# KiCad board boatcontrol.kicad_pcb (continued)
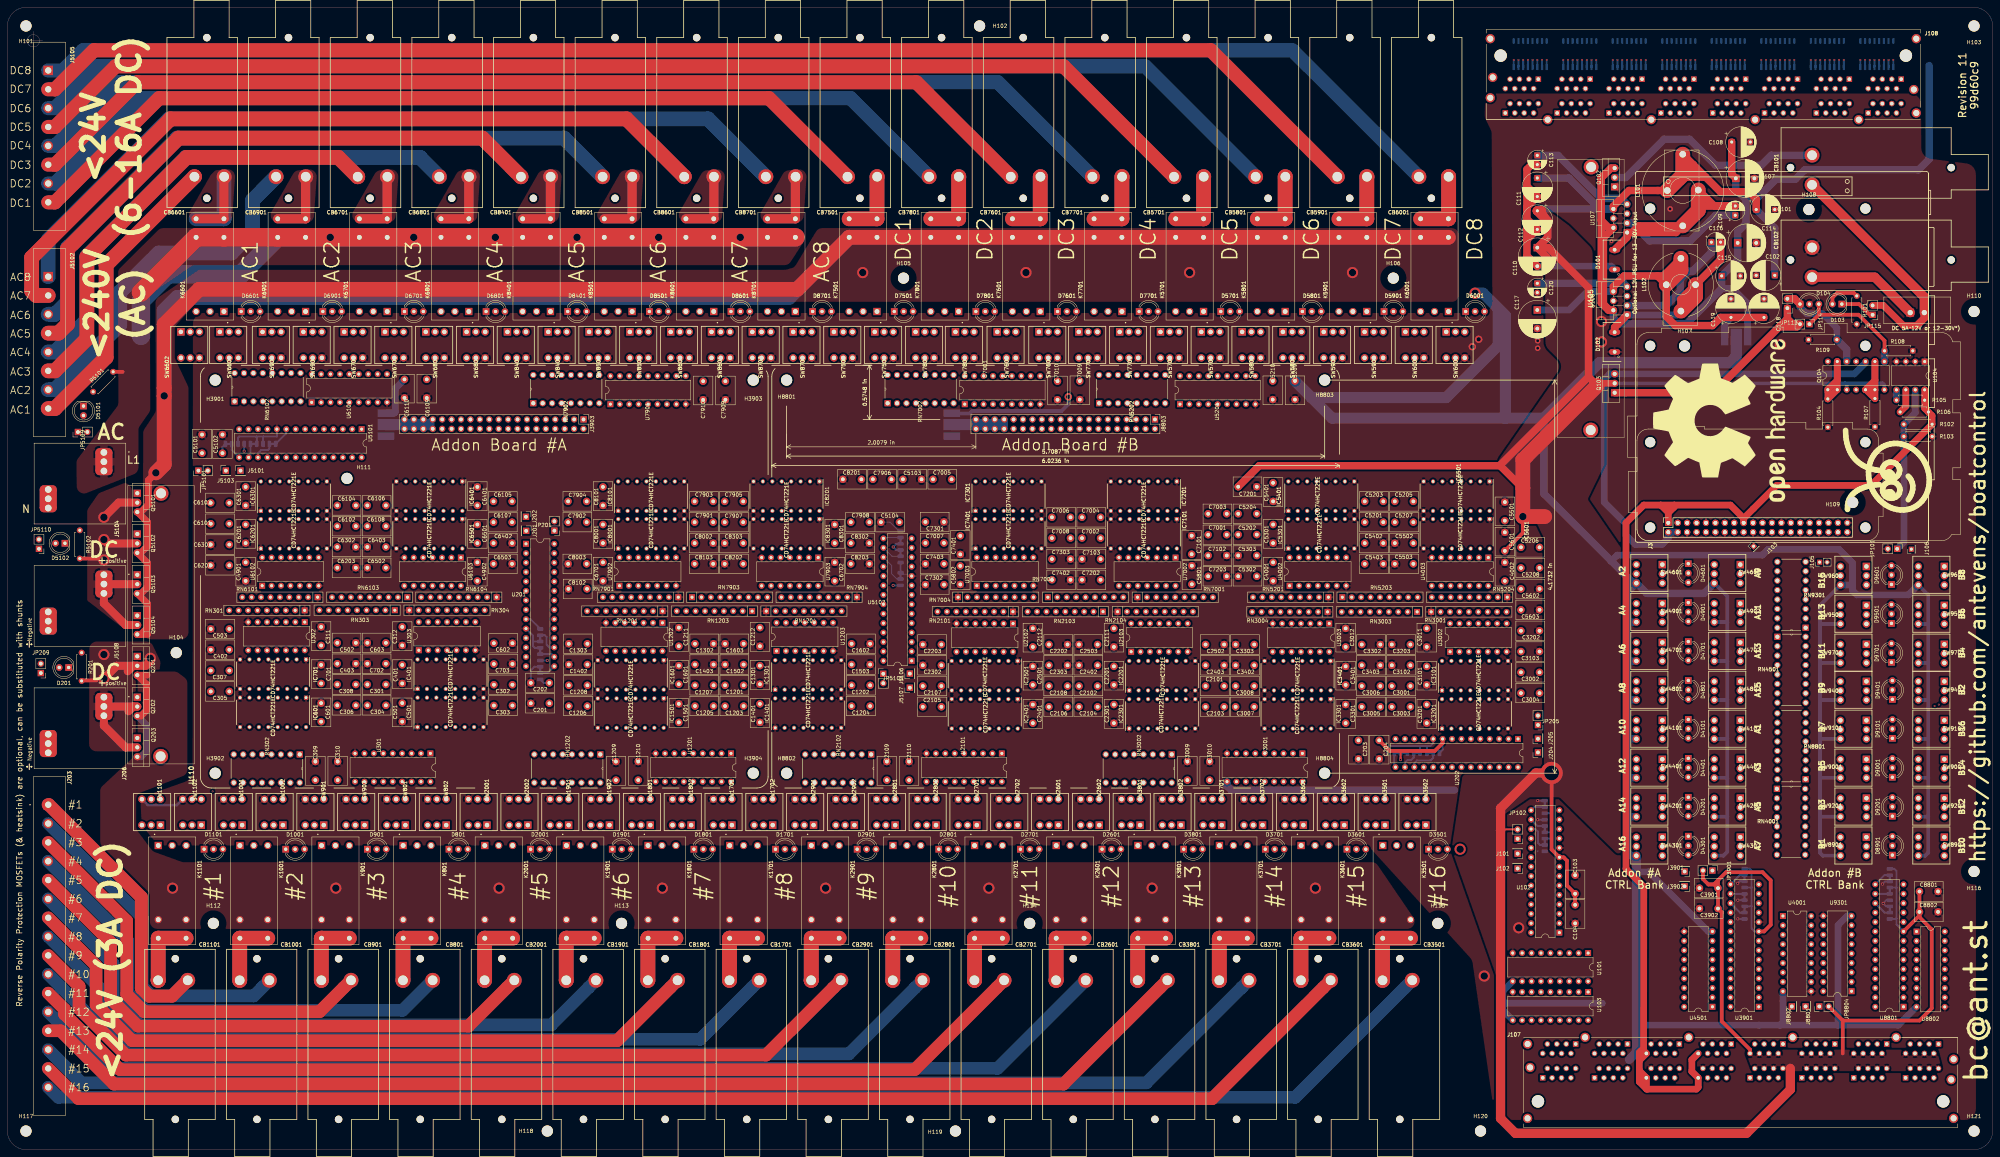
[diagram p0: board, top side]
## Routing (per net, layer and track width the routed paths; a pad name or vN(x,y) marks a point on that pad's centre or on a via; arc(x,y) is an arc through that point) (continued)
/12V DC Common Bank/12V DC Block 2/MultiVibrator3A2/R2: length 70.3
  In1.Cu w0.25: IC1401.6 225.49,119.6 C1204.1
  In2.Cu w0.25: IC1401.6 216.28,117.08 193.87,117.08 191.9,119.05 191.9,120.75 195.95,124.8 195.95,139.79 RN1203.5
/12V DC Common Bank/12V DC Block 2/MultiVibrator3A2/RC1: length 13.2
  In2.Cu w0.25: IC1401.15 205.87,118.08 199.92,118.08 C1203.2
/12V DC Common Bank/12V DC Block 2/MultiVibrator3A2/RC2: length 12.8
  In1.Cu w0.25: C1204.2 230.1,117.2 225.63,117.2 IC1401.7
/12V DC Common Bank/12V DC Block 2/MultiVibrator3A3/MUX_OFF: length 32.9
  In1.Cu w0.25: U1201.6 179.78,109.35 165.36,109.35 162.95,111.76 162.95,117.9 IC1501.5
/12V DC Common Bank/12V DC Block 2/MultiVibrator3A3/MUX_ON: length 18.4
  In1.Cu w0.25: IC1501.13 173.14,109.85 181.82,109.85 U1201.5
/12V DC Common Bank/12V DC Block 2/MultiVibrator3A3/R1: length 43.3
  In1.Cu w0.25: C1205.1 183.85,118.15 176.22,118.15 IC1501.14
  In2.Cu w0.25: C1205.1 187.4,121.7 187.4,131.38 187.5,131.48 187.5,143.16 RN1203.7
/12V DC Common Bank/12V DC Block 2/MultiVibrator3A3/R2: length 64.8
  In1.Cu w0.25: v4(170.28,118.82) 182.07,118.82 184.55,121.3 v4(188,121.3)
  In2.Cu w0.25: C1206.1 152.68,118.22 160.73,118.22 IC1501.6 167.02,118.82 v4(170.28,118.82) ; RN1203.6 v4(188,121.3)
/12V DC Common Bank/12V DC Block 2/MultiVibrator3A3/RC1: length 18.4
  In1.Cu w0.25: C1205.2 188.35,117.65 178.26,117.65 IC1501.15
/12V DC Common Bank/12V DC Block 2/MultiVibrator3A3/RC2: length 6.2
  In2.Cu w0.25: C1206.2 159.57,119.6 IC1501.7
/12V DC Common Bank/12V DC Block 2/MultiVibrator3A4/MUX_OFF: length 50.8
  In1.Cu w0.25: IC1601.5 160.55,125.8 158.77,125.8 157.79,124.82 157.79,123.97 154.07,120.25 154.07,115.72 162.01,107.78 170.78,107.78 173.42,105.14 175.53,105.14 U1201.8
/12V DC Common Bank/12V DC Block 2/MultiVibrator3A4/MUX_ON: length 37.6
  In1.Cu w0.25: IC1601.13 168.08,122.85 166.16,122.85 165.54,122.23 165.54,121.3 160.46,116.22 160.46,113.17 165.12,108.51 178.08,108.51 U1201.7
/12V DC Common Bank/12V DC Block 2/MultiVibrator3A4/R1: length 44.2
  In1.Cu w0.25: C1207.1 188.12,127.38 175.14,127.38 IC1601.14 ; RN1203.8 182.92,144.07 187.99,139 v4(188.65,139)
  In2.Cu w0.25: C1207.1 188.65,126.85 v4(188.65,139)
/12V DC Common Bank/12V DC Block 2/MultiVibrator3A4/R2: length 51.6
  In1.Cu w0.25: C1208.1 157.41,125.2 IC1601.6 ; RN1203.9 180.38,144.07 187.15,137.3 187.15,135.3 186.1,134.25 184.25,134.25 v4(183,135.5)
  In2.Cu w0.25: IC1601.6 165.36,133.15 167.1,133.15 167.65,133.7 167.65,134.91 170.07,137.32 182.22,137.32 183,136.54 v4(183,135.5)
/12V DC Common Bank/12V DC Block 2/MultiVibrator3A4/RC1: length 12.8
  In1.Cu w0.25: IC1601.15 177.18,126.88 183.62,126.88 C1207.2
/12V DC Common Bank/12V DC Block 2/MultiVibrator3A4/RC2: length 13.1
  In1.Cu w0.25: IC1601.7 157.67,128 154.1,128 C1208.2
/12V DC Common Bank/12V DC Block 2/OUT_C1: length 155.9
  Top w3.4: J203.5 27.81,55.87 27.81,40.67 35.2,33.28 124.23,33.28 CB2001.P2
/12V DC Common Bank/12V DC Block 2/OUT_C2: length 172.1
  Bottom w3.4: J203.6 28.49,50.11 28.49,40.75 35.62,33.63 146.58,33.63 CB1901.P2
/12V DC Common Bank/12V DC Block 2/OUT_C3: length 196.3
  Top w3.4: J203.7 23.9,49.62 23.9,39.06 33.58,29.38 164.33,29.38 CB1801.P2
/12V DC Common Bank/12V DC Block 2/OUT_C4: length 212.4
  Bottom w3.4: CB1701.P2 186.67,29.72 34,29.72 24.58,39.13 24.58,43.86 J203.8
/12V DC Common Bank/12V DC Block 3/3AC1/DISABLED_INDICATOR: length 12.4
  In1.Cu w1: SW2902.3 221.5,89.25 214,89.25 SW2901.3
/12V DC Common Bank/12V DC Block 3/3AC1/OFF: length 34.9
  In1.Cu w0.25: U2101.11 247.91,96.9 219.65,96.9 SW2901.4
/12V DC Common Bank/12V DC Block 3/3AC1/OFF_COIL: length 39.2
  In2.Cu w0.25: SW2902.2 224.37,88.88 215.84,88.88 210.87,93.84 210.87,95.16 213.79,98.07 213.79,99.53 217.54,103.28 RN2102.7
  In2.Cu w1: K2901.8 225.75,83.6 SW2902.2
/12V DC Common Bank/12V DC Block 3/3AC1/OFF_LED: length 28
  In2.Cu w0.25: RN2102.10 219.58,96.91 219.58,94.01 223.72,89.88 229.26,89.88 230.13,89.01 230.13,84.95 D2901.3
/12V DC Common Bank/12V DC Block 3/3AC1/OFF_TO_ON: length 16.5
  In1.Cu w1: SW2902.1 228.25,87.59 223.09,92.75 216.5,92.75 SW2901.5
/12V DC Common Bank/12V DC Block 3/3AC1/ON: length 26.5
  In1.Cu w0.25: U2101.12 249.95,96.4 230.15,96.4 SW2902.4
/12V DC Common Bank/12V DC Block 3/3AC1/ON_COIL: length 29.1
  In1.Cu w1: K2901.1 214.75,83.9 SW2901.2
  In2.Cu w0.25: RN2102.8 215,101.45 213.29,99.74 213.29,98.28 210.37,95.37 210.37,91.88 SW2901.2
/12V DC Common Bank/12V DC Block 3/3AC1/ON_LED: length 27.5
  In2.Cu w0.25: D2901.1 229,82.15 229.63,82.78 229.63,88.8 229.05,89.38 223.51,89.38 219.08,93.81 219.08,94.87 RN2102.9
/12V DC Common Bank/12V DC Block 3/3AC1/ON_TO_OFF: length 23.9
  In1.Cu w1: SW2901.1 219.25,87.5 221,85.75 229.85,85.75 230,85.9 230,90.25 SW2902.5
/12V DC Common Bank/12V DC Block 3/3AC1/TO_FUSE: length 37.7
  Top w4: CB2901.P1 216.65,45.7 K2901.4 K2901.5
  Bottom w4: K2901.5 K2901.4 216.6,56.95 CB2901.P1
/12V DC Common Bank/12V DC Block 3/3AC2/DISABLED_INDICATOR: length 12.4
  In1.Cu w1: SW2801.3 236,89.25 243.5,89.25 SW2802.3
/12V DC Common Bank/12V DC Block 3/3AC2/OFF: length 18
  In1.Cu w0.25: U2101.13 251.96,95.88 240.63,95.88 SW2801.4
/12V DC Common Bank/12V DC Block 3/3AC2/OFF_COIL: length 42.5
  In2.Cu w0.25: SW2802.2 245.37,89.88 234.72,89.88 231.37,93.22 231.37,94.56 228.21,97.73 227.12,97.73 226.37,98.48 226.37,102.81 RN2102.5
  In2.Cu w1: K2801.8 247.75,83.6 SW2802.2
/12V DC Common Bank/12V DC Block 3/3AC2/OFF_LED: length 49.7
  In2.Cu w0.25: 222.62,98.87 RN2102.12 221.37,97.7 221.37,93.63 224.13,90.88 229.67,90.88 231.13,89.42 231.13,88.62 233.75,86 242.25,86 244.3,83.95 244.3,81.14 245.29,80.15 247.67,80.15 249.8,82.28 254.8,82.28 D2801.3
/12V DC Common Bank/12V DC Block 3/3AC2/OFF_TO_ON: length 16.5
  In1.Cu w1: SW2801.5 238.5,92.75 245.09,92.75 250.25,87.59 SW2802.1
/12V DC Common Bank/12V DC Block 3/3AC2/ON: length 9.5
  In1.Cu w0.25: U2101.14 253.13,94.5 SW2802.4
/12V DC Common Bank/12V DC Block 3/3AC2/ON_COIL: length 39
  In1.Cu w1: K2801.1 236.75,83.9 SW2801.2
  In2.Cu w0.25: SW2801.2 235.37,88.88 232.38,88.88 229.88,91.38 224.34,91.38 221.87,93.84 221.87,96.29 223.95,98.36 223.95,102.7 RN2102.6
/12V DC Common Bank/12V DC Block 3/3AC2/ON_LED: length 44.4
  In2.Cu w0.25: D2801.1 249.23,81 247.88,79.65 245.09,79.65 243.8,80.94 243.8,83.74 242.04,85.5 233.51,85.5 230.63,88.38 230.63,89.21 229.46,90.38 223.93,90.38 220.08,94.22 RN2102.11
/12V DC Common Bank/12V DC Block 3/3AC2/ON_TO_OFF: length 23.9
  In1.Cu w1: SW2802.5 252,90.25 252,85.9 251.85,85.75 243,85.75 241.25,87.5 SW2801.1
/12V DC Common Bank/12V DC Block 3/3AC2/TO_FUSE: length 37.7
  Top w4: CB2801.P1 238.6,56.95 K2801.4 K2801.5
  Bottom w4: CB2801.P1 238.6,56.95 K2801.4 K2801.5
/12V DC Common Bank/12V DC Block 3/3AC3/DISABLED_INDICATOR: length 13.3
  In1.Cu w1: SW2701.3 256.25,88.91 256.59,89.25 265.5,89.25 SW2702.3
/12V DC Common Bank/12V DC Block 3/3AC3/OFF: length 5.1
  In1.Cu w0.25: U2101.15 260.38,95.37 SW2701.4
/12V DC Common Bank/12V DC Block 3/3AC3/OFF_COIL: length 60.2
  In2.Cu w0.25: RN2102.3 231.45,102.81 231.45,98.48 234.06,95.88 261.91,95.88 262.95,94.84 262.95,92.15 265.4,89.7 267.55,89.7 SW2702.2
  In2.Cu w1: SW2702.2 269.75,83.6 K2701.8
/12V DC Common Bank/12V DC Block 3/3AC3/OFF_LED: length 61.4
  In2.Cu w0.25: 270.17,80.65 270.51,80.99 ; 270.51,80.99 269.67,80.15 267.29,80.15 266.3,81.14 266.3,82.1 265.05,83.35 257.08,83.35 250.05,90.38 234.93,90.38 231.87,93.43 231.87,94.81 230.99,95.69 230.95,95.69 RN2102.14 ; 270.51,80.99 271.8,82.28 276.8,82.28 D2701.3
/12V DC Common Bank/12V DC Block 3/3AC3/OFF_TO_ON: length 16.5
  In1.Cu w1: SW2701.5 260.5,92.75 267.09,92.75 272.25,87.59 SW2702.1
/12V DC Common Bank/12V DC Block 3/3AC3/ON: length 11.9
  In1.Cu w0.25: SW2702.4 270.87,95.88 265.13,95.88 262.92,98.08 U2101.16
/12V DC Common Bank/12V DC Block 3/3AC3/ON_COIL: length 51.1
  In1.Cu w1: SW2701.2 258.75,83.9 K2701.1
  In2.Cu w0.25: RN2102.4 229.03,102.7 229.03,98.36 232.37,95.02 232.37,93.63 235.13,90.88 255.37,90.88 SW2701.2
/12V DC Common Bank/12V DC Block 3/3AC3/ON_LED: length 61.5
  In2.Cu w0.25: RN2102.13 226.87,97.23 228,97.23 230.87,94.36 230.87,93.01 234.51,89.38 240.05,89.38 244.8,84.63 244.8,81.35 245.5,80.65 246.8,80.65 248.92,82.78 257.25,82.78 260.38,79.65 272.8,79.65 273,79.85 D2701.1
/12V DC Common Bank/12V DC Block 3/3AC3/ON_TO_OFF: length 23.9
  In1.Cu w1: SW2702.5 274,90.25 274,85.9 273.85,85.75 265,85.75 263.25,87.5 SW2701.1
/12V DC Common Bank/12V DC Block 3/3AC3/TO_FUSE: length 37.7
  Top w4: K2701.5 K2701.4 260.65,45.7 CB2701.P1
  Bottom w4: K2701.5 K2701.4 260.6,56.95 CB2701.P1
/12V DC Common Bank/12V DC Block 3/3AC4/DISABLED_INDICATOR: length 12.4
  In1.Cu w1: SW2601.3 280,89.25 287.5,89.25 SW2602.3
/12V DC Common Bank/12V DC Block 3/3AC4/OFF: length 19.7
  In1.Cu w0.25: U2101.17 268.3,96.38 281.37,96.38 SW2601.4
/12V DC Common Bank/12V DC Block 3/3AC4/OFF_COIL: length 78.4
  In2.Cu w0.25: RN2102.1 232.78,105.48 234.49,103.76 234.49,98.31 235.43,97.38 262.53,97.38 264.45,95.46 264.45,92.77 266.02,91.2 268.2,91.2 269.05,90.35 288.9,90.35 SW2602.2
  In2.Cu w1: SW2602.2 291.75,83.6 K2601.8
/12V DC Common Bank/12V DC Block 3/3AC4/OFF_LED: length 78.5
  In2.Cu w0.25: RN2102.16 232.78,98.61 235.02,96.38 262.12,96.38 263.45,95.04 263.45,92.36 265.61,90.2 267.76,90.2 268.61,89.35 273.08,89.35 275.65,86.78 275.65,86.36 281.36,80.65 291.6,80.65 293.75,82.8 298.28,82.8 D2601.3
/12V DC Common Bank/12V DC Block 3/3AC4/OFF_TO_ON: length 16.5
  In1.Cu w1: SW2602.1 294.25,87.59 289.09,92.75 282.5,92.75 SW2601.5
/12V DC Common Bank/12V DC Block 3/3AC4/ON: length 28.2
  In1.Cu w0.25: U2101.18 270.34,96.88 291.87,96.88 SW2602.4
/12V DC Common Bank/12V DC Block 3/3AC4/ON_COIL: length 69
  In1.Cu w1: K2601.1 280.75,83.9 SW2601.2
  In2.Cu w0.25: RN2102.2 233.99,102.81 233.99,98.11 235.22,96.88 262.32,96.88 263.95,95.25 263.95,92.56 265.81,90.7 267.96,90.7 268.81,89.85 278.4,89.85 SW2601.2
/12V DC Common Bank/12V DC Block 3/3AC4/ON_LED: length 84.2
  In2.Cu w0.25: D2601.1 293.85,81 293,80.15 281.15,80.15 278.52,82.78 271.59,82.78 269.47,80.65 267.5,80.65 266.8,81.35 266.8,84.63 ; 266.8,84.63 260.05,91.38 235.34,91.38 232.87,93.84 232.87,96.31 RN2102.15 ; 266.8,84.63 262.43,89
/12V DC Common Bank/12V DC Block 3/3AC4/ON_TO_OFF: length 23.9
  In1.Cu w1: SW2602.5 296,90.25 296,85.9 295.85,85.75 287,85.75 285.25,87.5 SW2601.1
/12V DC Common Bank/12V DC Block 3/3AC4/TO_FUSE: length 37.7
  Top w4: CB2601.P1 282.65,45.7 K2601.4 K2601.5
  Bottom w4: K2601.5 K2601.4 282.6,56.95 CB2601.P1
/12V DC Common Bank/12V DC Block 3/DIG_OFF_C1: length 174.8
  In1.Cu w0.25: v4(264.85,136.6) 263.39,138.06 U2102.4 263.37,141.88 RN2101.4 ; v4(351.35,110) 358.27,110 361.05,107.23 370.57,107.23 371.17,106.63 396.28,106.63 397.81,108.16 400.35,108.16 400.98,108.79 402.61,108.79 U202.2 ; v4(272.72,115.65) 272.72,116.57 271,118.3 271,122.2 270.5,122.7 269.2,122.7 268.5,123.4 v4(268.5,129.4)
  In2.Cu w0.25: v4(272.72,115.65) 275.89,112.49 314.9,112.49 322.1,112.49 322.49,112.88 325.05,112.88 329.44,108.49 342.52,108.49 343.52,109.49 350.84,109.49 v4(351.35,110) ; v4(264.85,136.6) 265.75,135.7 266.5,135.7 267.2,135 267.2,133.55 265.9,132.25 265.9,131.3 267.8,129.4 v4(268.5,129.4)
/12V DC Common Bank/12V DC Block 3/DIG_OFF_C2: length 192.9
  In1.Cu w0.25: v4(288.92,122.59) 299.46,122.59 302.65,119.4 320.16,119.4 v4(322.18,117.38) ; v4(263.85,136.55) v4(256.78,136.55) 255.32,138 254.06,138 252.98,139.08 252.02,139.08 251.5,139.6 251.5,141.08 250.67,141.91 RN2101.9 ; U202.4 398.31,109.57 397.81,109.57 395.87,107.63 371.58,107.63 370.98,108.23 361.46,108.23 358.49,111.2 350.15,111.2 v4(349.85,110.9)
  In2.Cu w0.25: v4(322.18,117.38) 325.76,117.38 332.66,110.49 341.89,110.49 341.9,110.5 349.45,110.5 v4(349.85,110.9) ; v4(256.78,136.55) 256.36,136.55 253.52,133.72 252.78,133.72 250.32,131.26 250.32,129.94 253.81,126.46 268.53,126.46 269.71,125.27 273.24,125.27 275.63,122.88 280.1,122.88 280.38,122.59 v4(288.92,122.59) ; 265.9,134.26 U2102.12 ; U2102.12 265.93,134.47 v4(263.85,136.55) ; U2102.12 265.92,134.23 ; U2102.12 265.93,134.27
/12V DC Common Bank/12V DC Block 3/DIG_OFF_C3: length 117.8
  In1.Cu w0.25: RN2104.4 309.2,142.66 v4(309.2,136.13) 309.2,135.51 U2103.4 ; v4(348.35,111.8) 348.75,112.2 369.88,112.2 373.46,108.63 393.7,108.63 394.41,109.33 U202.6
  In2.Cu w0.25: v4(309.2,136.13) 319.77,136.13 324.28,131.62 324.28,127.26 326.02,125.51 326.02,118.53 333.06,111.5 348.05,111.5 v4(348.35,111.8)
/12V DC Common Bank/12V DC Block 3/DIG_OFF_C4: length 114.7
  In1.Cu w0.25: U2103.12 v4(307.92,136.58) ; U202.8 388.15,111.92 370.88,111.92 370.09,112.7 359.11,112.7 357.31,114.5 v4(350.2,114.5)
  In2.Cu w0.25: U2103.12 309.25,143.2 312.58,143.2 RN2104.7 ; v4(307.92,136.58) 308.17,136.83 319.78,136.83 324.78,131.83 324.78,127.47 326.52,125.72 326.52,118.74 333.26,112 346.9,112 347.7,112.8 347.7,113.66 348.54,114.5 v4(350.2,114.5)
/12V DC Common Bank/12V DC Block 3/DIG_ON_C1: length 174.4
  In1.Cu w0.25: v4(287.25,131.6) 287.25,129.8 290.17,126.88 315.91,126.88 318.85,123.93 v4(318.85,122.64) ; RN2101.2 271.01,142.48 U2102.1 271.01,137.09 v4(269.77,135.85) ; U202.1 407.11,109.69 405.7,108.29 401.19,108.29 400.56,107.66 398.02,107.66 396.49,106.13 370.96,106.13 370.36,106.73 360.84,106.73 358.19,109.38 351.63,109.38 351.36,109.11 v4(342.22,109.11)
  In2.Cu w0.25: v4(342.22,109.11) 329.52,109.11 318.85,119.78 v4(318.85,122.64) ; v4(287.25,131.6) 286.67,132.18 280.24,132.18 276.74,128.68 274.85,128.68 274.45,128.27 270.96,128.27 269.63,129.6 269.63,130.49 268.8,131.32 268.8,132.81 269.77,133.79 v4(269.77,135.85)
/12V DC Common Bank/12V DC Block 3/DIG_ON_C2: length 176.7
  In1.Cu w0.25: v4(257.25,137.2) 257.05,137.4 257.05,143.75 RN2101.7 ; U2102.9 259.64,132.9 262.83,132.9 263.43,132.3 v4(263.43,130.49) ; v4(331.77,110.44) 318.81,110.44 316.3,112.95 316.3,113.95 312.87,117.38 292.12,117.38 v4(291.47,118.02) ; U202.3 399.94,108.66 397.6,108.66 396.07,107.13 371.37,107.13 370.77,107.73 361.26,107.73 358.28,110.7 350.85,110.7 v4(350.6,110.45) ; v4(265.78,129.38) 265.78,123.41 266.5,122.7 267.8,122.7 268.5,122 268.5,119.87 v4(272,116.38)
  In2.Cu w0.25: v4(272,116.38) 285.85,116.38 287.49,118.02 v4(291.47,118.02) ; v4(257.25,137.2) 257.51,136.94 257.51,135.03 U2102.9 258.3,134.24 ; v4(331.77,110.44) 332.22,109.99 350.14,109.99 v4(350.6,110.45) ; v4(263.43,130.49) 264.54,129.38 v4(265.78,129.38)
/12V DC Common Bank/12V DC Block 3/DIG_ON_C3: length 125.1
  In1.Cu w0.25: v4(305.05,129.83) 317.02,129.83 v4(319.58,127.28) ; RN2104.2 304.1,142.68 304.1,141.33 302.84,140.07 U2103.1 ; v4(349.1,111.35) 349.45,111.7 358.69,111.7 361.67,108.73 371.19,108.73 371.79,108.13 395.66,108.13 396.95,109.41 U202.5
  In2.Cu w0.25: v4(319.58,127.28) 323.55,127.28 325.45,125.38 325.45,118.4 332.85,111 348.75,111 v4(349.1,111.35) ; U2103.1 302.84,133.2 303.55,132.49 303.55,131.33 v4(305.05,129.83)
/12V DC Common Bank/12V DC Block 3/DIG_ON_C4: length 109.3
  In1.Cu w0.25: v4(329.48,144.38) 329.45,144.35 v4(329.45,137.87) ; U202.7 390.19,112.42 371.08,112.42 370.2,113.3 359.4,113.3 357.36,115.34 347.64,115.34 v4(347.39,115.09)
  In2.Cu w0.25: U2103.9 316.92,143.25 317.71,143.25 RN2104.9 319.51,143.92 320.78,142.65 324.94,142.65 326.67,144.38 v4(329.48,144.38) ; v4(329.45,137.87) 329.45,118.61 332.97,115.09 v4(347.39,115.09)
/12V DC Common Bank/12V DC Block 3/MultiVibrator3A1/MUX_OFF: length 59.1
  In1.Cu w0.25: U2101.2 266.67,105.63 291.31,105.63 295.19,109.5 303.55,109.5 306.15,112.1 v4(306.15,114.8)
  In2.Cu w0.25: IC2201.5 311.2,122.55 311.2,118.3 307.7,114.8 v4(306.15,114.8)
/12V DC Common Bank/12V DC Block 3/MultiVibrator3A1/MUX_ON: length 60.1
  In1.Cu w0.25: U2101.1 291.81,106.83 294.98,110 301.55,110 303.65,112.1 v4(303.65,114.65)
  In2.Cu w0.25: IC2201.13 306.15,127.98 306.15,124.45 305.8,124.1 305.8,116.8 v4(303.65,114.65)
/12V DC Common Bank/12V DC Block 3/MultiVibrator3A1/R1: length 53.8
  In1.Cu w0.25: C2101.1 326.46,125 320.63,130.83 308.34,130.83 IC2201.14 306.84,132.33 306.32,132.33 305.7,132.95 304.75,132.95 304.1,133.6 v4(304.1,140.38)
  In2.Cu w0.25: v4(304.1,140.38) 301.82,140.38 299.27,142.93 296.56,142.93 295.09,141.45 293.03,141.45 290.65,143.83 288.87,143.83 RN2103.4
/12V DC Common Bank/12V DC Block 3/MultiVibrator3A1/R2: length 57
  In1.Cu w0.25: IC2201.6 314.08,124.77 301.46,124.77 300.03,123.35 295.45,123.35 C2102.1 292.1,123.3 284.95,123.3 284.2,124.05 284.2,139.07 RN2103.3
/12V DC Common Bank/12V DC Block 3/MultiVibrator3A1/RC1: length 20.8
  In1.Cu w0.25: IC2201.15 306.3,130.33 317.57,130.33 C2101.2
/12V DC Common Bank/12V DC Block 3/MultiVibrator3A1/RC2: length 31.6
  In1.Cu w0.25: C2102.2 290.18,126.38 294.46,126.38 296.99,123.85 299.82,123.85 301.25,125.27 316.12,125.27 IC2201.7
/12V DC Common Bank/12V DC Block 3/MultiVibrator3A2/MUX_OFF: length 56.7
  In1.Cu w0.25: IC2301.5 307.45,108.5 295.6,108.5 291.73,104.63 262.59,104.63 U2101.4
/12V DC Common Bank/12V DC Block 3/MultiVibrator3A2/MUX_ON: length 60.6
  In1.Cu w0.25: v4(306.75,115.9) 308.65,114 308.65,112.4 305.25,109 295.39,109 291.52,105.13 264.63,105.13 U2101.3
  In2.Cu w0.25: v4(306.75,115.9) 309.94,119.09 IC2301.13
/12V DC Common Bank/12V DC Block 3/MultiVibrator3A2/R1: length 70.9
  In1.Cu w0.25: IC2301.14 308.47,120.4 321.9,120.4 C2103.1 322.9,122.42 317,128.33 302,128.33 301.55,127.88 292.83,127.88 290.82,129.88 290.82,142.02 292.72,143.92 RN2103.2
/12V DC Common Bank/12V DC Block 3/MultiVibrator3A2/R2: length 57.4
  In1.Cu w0.25: IC2301.6 311.68,116.88 291.32,116.88 C2104.1 285.4,122.8 284.74,122.8 283.7,123.84 283.7,143.65 RN2103.5
/12V DC Common Bank/12V DC Block 3/MultiVibrator3A2/RC1: length 25
  In1.Cu w0.25: IC2301.15 306.43,119.9 320.37,119.9 322.24,118.02 326.52,118.02 C2103.2
/12V DC Common Bank/12V DC Block 3/MultiVibrator3A2/RC2: length 26.2
  In1.Cu w0.25: IC2301.7 313.14,117.95 295.25,117.95 C2104.2
/12V DC Common Bank/12V DC Block 3/MultiVibrator3A3/MUX_OFF: length 17.5
  In1.Cu w0.25: U2101.6 256.1,107.63 256.1,110.3 258.3,112.5 258.3,117.65 IC2401.5
/12V DC Common Bank/12V DC Block 3/MultiVibrator3A3/MUX_ON: length 9.6
  In1.Cu w0.25: IC2401.13 264.54,113.53 U2101.5
/12V DC Common Bank/12V DC Block 3/MultiVibrator3A3/R1: length 69.8
  In1.Cu w0.25: v4(280.88,117.22) 282.08,118.43 282.08,143 RN2103.7
  In2.Cu w0.25: v4(280.88,117.22) 271.88,117.22 271.05,116.4 271.05,113.45 270.19,112.59 268.14,112.59 IC2401.14 264.13,116.6 249.5,116.6 C2105.1
/12V DC Common Bank/12V DC Block 3/MultiVibrator3A3/R2: length 56.1
  In1.Cu w0.25: C2106.1 279.7,118.4 279.7,117.47 280.57,116.6 281.35,116.6 282.58,117.83 282.58,143.91 282.56,143.92 RN2103.6
  In2.Cu w0.25: IC2401.6 262.65,118.4 279.7,118.4 C2106.1
/12V DC Common Bank/12V DC Block 3/MultiVibrator3A3/RC1: length 20.5
  In2.Cu w0.25: IC2401.15 266.17,117.1 254,117.1 C2105.2
/12V DC Common Bank/12V DC Block 3/MultiVibrator3A3/RC2: length 30.8
  In2.Cu w0.25: C2106.2 284.2,117.9 260.61,117.9 IC2401.7
/12V DC Common Bank/12V DC Block 3/MultiVibrator3A4/MUX_OFF: length 29.9
  In1.Cu w0.25: IC2501.5 255.75,125.4 255.75,112.36 U2101.8
/12V DC Common Bank/12V DC Block 3/MultiVibrator3A4/MUX_ON: length 27.1
  In1.Cu w0.25: U2101.7 254.34,105.25 256,105.25 256.6,105.85 256.6,107.33 260.85,111.58 260.85,115.83 265.95,120.93 265.95,122.54 IC2501.13
/12V DC Common Bank/12V DC Block 3/MultiVibrator3A4/R1: length 47.6
  In1.Cu w0.25: RN2103.8 279.15,143.38 v4(279.15,134.35) ; IC2501.14 267.2,129 268.25,130.05 270.95,130.05 v4(271.2,129.8)
  In2.Cu w0.25: IC2501.14 266.4,123.83 265.23,125 C2107.1 ; v4(271.2,129.8) 274.3,129.8 274.4,129.9 274.4,131.09 275.51,132.2 277,132.2 v4(279.15,134.35)
/12V DC Common Bank/12V DC Block 3/MultiVibrator3A4/R2: length 65.7
  In1.Cu w0.25: v4(278.4,136.7) 278.4,141.59 RN2103.9
  In2.Cu w0.25: v4(278.4,136.7) 278.4,135.56 277.01,134.17 275.69,134.17 274.97,134.89 274.97,136.22 274.1,137.09 266.81,137.09 266.52,136.81 265.63,136.81 264.85,137.59 263.97,137.59 262.1,135.73 262.1,133.6 261.3,132.8 260.61,132.8 IC2501.6 263.39,127.96 269.15,127.96 270.33,126.77 275.07,126.77 275.48,127.18 283.52,127.18 C2108.1
/12V DC Common Bank/12V DC Block 3/MultiVibrator3A4/RC1: length 24.7
  In2.Cu w0.25: C2107.2 248.08,126.38 252.36,126.38 253.23,125.5 265.44,125.5 266.01,124.93 268.64,124.93 IC2501.15
/12V DC Common Bank/12V DC Block 3/MultiVibrator3A4/RC2: length 27.8
  In2.Cu w0.25: C2108.2 279.08,123.38 275.84,123.38 273.44,125.77 269.92,125.77 268.73,126.96 261.85,126.96 IC2501.7
/12V DC Common Bank/12V DC Block 3/OUT_C1: length 236.6
  Top w3.4: J203.9 19.31,44.05 19.31,38.12 31.96,25.47 204.42,25.47 CB2901.P2
/12V DC Common Bank/12V DC Block 3/OUT_C2: length 252.8
  Bottom w3.4: J203.10 14.48,43.8 14.48,43.71 32.38,25.81 226.76,25.81 CB2801.P2
/12V DC Common Bank/12V DC Block 3/OUT_C3: length 276.9
  Top w3.4: CB2701.P2 244.51,21.56 30.34,21.56 15.4,36.5 15.4,37.8 J203.11
/12V DC Common Bank/12V DC Block 3/OUT_C4: length 295.7
  Bottom w3.4: J203.12 26.22,21.9 266.85,21.9 CB2601.P2
/12V DC Common Bank/12V DC Block 4/3AC1/DISABLED_INDICATOR: length 12.4
  In1.Cu w1: SW3802.3 309.5,89.25 302,89.25 SW3801.3
/12V DC Common Bank/12V DC Block 4/3AC1/OFF: length 27.9
  In1.Cu w0.25: U3001.11 328.88,96.88 328.21,96.88 327.71,96.38 317.42,96.38 316.92,95.88 306.63,95.88 SW3801.4
/12V DC Common Bank/12V DC Block 4/3AC1/OFF_COIL: length 40.5
  In2.Cu w0.25: SW3802.2 311.87,89.38 301.93,89.38 296.34,94.96 296.34,96.81 294.79,98.36 294.79,102.81 RN3002.7
  In2.Cu w1: SW3802.2 313.75,83.6 K3801.8
/12V DC Common Bank/12V DC Block 4/3AC1/OFF_LED: length 36.1
  In2.Cu w0.25: D3801.3 318.13,84.95 318.13,89.01 316.76,90.38 302.34,90.38 298.54,94.17 RN3002.10
/12V DC Common Bank/12V DC Block 4/3AC1/OFF_TO_ON: length 16.5
  In1.Cu w1: SW3801.5 304.5,92.75 311.09,92.75 316.25,87.59 SW3802.1
/12V DC Common Bank/12V DC Block 4/3AC1/ON: length 19.5
  In1.Cu w0.25: SW3802.4 317.63,95.88 327.92,95.88 328.42,96.38 330.92,96.38 U3001.12
/12V DC Common Bank/12V DC Block 4/3AC1/ON_COIL: length 29.6
  In1.Cu w1: K3801.1 302.75,83.9 SW3801.2
  In2.Cu w0.25: RN3002.8 294.29,104.85 294.29,98.16 295.84,96.6 295.84,94.41 SW3801.2
/12V DC Common Bank/12V DC Block 4/3AC1/ON_LED: length 35.6
  In2.Cu w0.25: D3801.1 317,82.15 317.63,82.78 317.63,88.8 316.55,89.88 302.13,89.88 296.84,95.17 296.84,98.11 RN3002.9
/12V DC Common Bank/12V DC Block 4/3AC1/ON_TO_OFF: length 23.9
  In1.Cu w1: SW3802.5 318,90.25 318,85.9 317.85,85.75 309,85.75 307.25,87.5 SW3801.1
/12V DC Common Bank/12V DC Block 4/3AC1/TO_FUSE: length 37.7
  Top w4: CB3801.P1 304.6,56.95 K3801.4 K3801.5
  Bottom w4: K3801.5 K3801.4 304.6,56.95 CB3801.P1
/12V DC Common Bank/12V DC Block 4/3AC2/DISABLED_INDICATOR: length 12.4
  In1.Cu w1: SW3702.3 331.5,89.25 324,89.25 SW3701.3
/12V DC Common Bank/12V DC Block 4/3AC2/OFF: length 11
  In1.Cu w0.25: SW3701.4 328.63,95.88 332.96,95.88 U3001.13
/12V DC Common Bank/12V DC Block 4/3AC2/OFF_COIL: length 50.7
  In2.Cu w0.25: SW3702.2 334.37,88.88 329.96,88.88 328.96,89.88 320.12,89.88 317.62,92.38 310.63,92.38 309.37,93.63 309.37,94.54 306.54,97.38 305.94,97.38 304.95,98.36 304.95,105.24 RN3002.5
  In2.Cu w1: SW3702.2 335.75,83.6 K3701.8
/12V DC Common Bank/12V DC Block 4/3AC2/OFF_LED: length 52.1
  In2.Cu w0.25: D3701.3 342.8,82.28 337.8,82.28 336.17,80.65 333.5,80.65 332.8,81.35 332.8,85.33 328.76,89.38 319.92,89.38 317.42,91.88 310.43,91.88 308.87,93.43 308.87,94.33 306.33,96.88 305.69,96.88 RN3002.12
/12V DC Common Bank/12V DC Block 4/3AC2/OFF_TO_ON: length 16.5
  In1.Cu w1: SW3701.5 326.5,92.75 333.09,92.75 338.25,87.59 SW3702.1
/12V DC Common Bank/12V DC Block 4/3AC2/ON: length 5
  In1.Cu w0.25: U3001.14 338.84,95.09 SW3702.4
/12V DC Common Bank/12V DC Block 4/3AC2/ON_COIL: length 46.1
  In1.Cu w1: SW3701.2 324.75,83.9 K3701.1
  In2.Cu w0.25: RN3002.6 299.87,105.35 299.87,98.36 299.89,98.36 302.37,95.88 305.91,95.88 307.87,93.91 307.87,93.01 310.01,90.88 316.96,90.88 318.63,89.21 318.63,89.09 321.59,86.12 323.37,86.12 SW3701.2
/12V DC Common Bank/12V DC Block 4/3AC2/ON_LED: length 48.9
  In2.Cu w0.25: D3701.1 337.85,81 337,80.15 333.29,80.15 332.3,81.14 332.3,85.13 328.55,88.88 319.67,88.88 317.17,91.38 310.22,91.38 308.37,93.22 308.37,94.13 306.12,96.38 303.65,96.38 RN3002.11
/12V DC Common Bank/12V DC Block 4/3AC2/ON_TO_OFF: length 23.9
  In1.Cu w1: SW3702.5 340,90.25 340,85.9 339.85,85.75 331,85.75 329.25,87.5 SW3701.1
/12V DC Common Bank/12V DC Block 4/3AC2/TO_FUSE: length 37.7
  Top w4: CB3701.P1 326.6,56.95 K3701.4 K3701.5
  Bottom w4: CB3701.P1 326.6,56.95 K3701.4 K3701.5
/12V DC Common Bank/12V DC Block 4/3AC3/DISABLED_INDICATOR: length 13.3
  In1.Cu w1: SW3602.3 353.5,89.25 344.59,89.25 344.25,88.91 SW3601.3
/12V DC Common Bank/12V DC Block 4/3AC3/OFF: length 9.8
  In1.Cu w0.25: U3001.15 344.72,95.88 347.87,95.88 SW3601.4
/12V DC Common Bank/12V DC Block 4/3AC3/OFF_COIL: length 66.5
  In1.Cu w0.25: v9(340.75,92) 342.62,90.13 355.12,90.13 SW3602.2
  In2.Cu w0.25: RN3002.3 312.57,102.7 312.57,98.36 313.53,97.4 317.51,97.4 319.54,95.37 319.54,94 321.16,92.38 330,92.38 330.37,92 v9(340.75,92)
  In2.Cu w1: SW3602.2 357.75,83.6 K3601.8
